# KiCad board elektor-eXpansion-board-V1-0.kicad_pcb
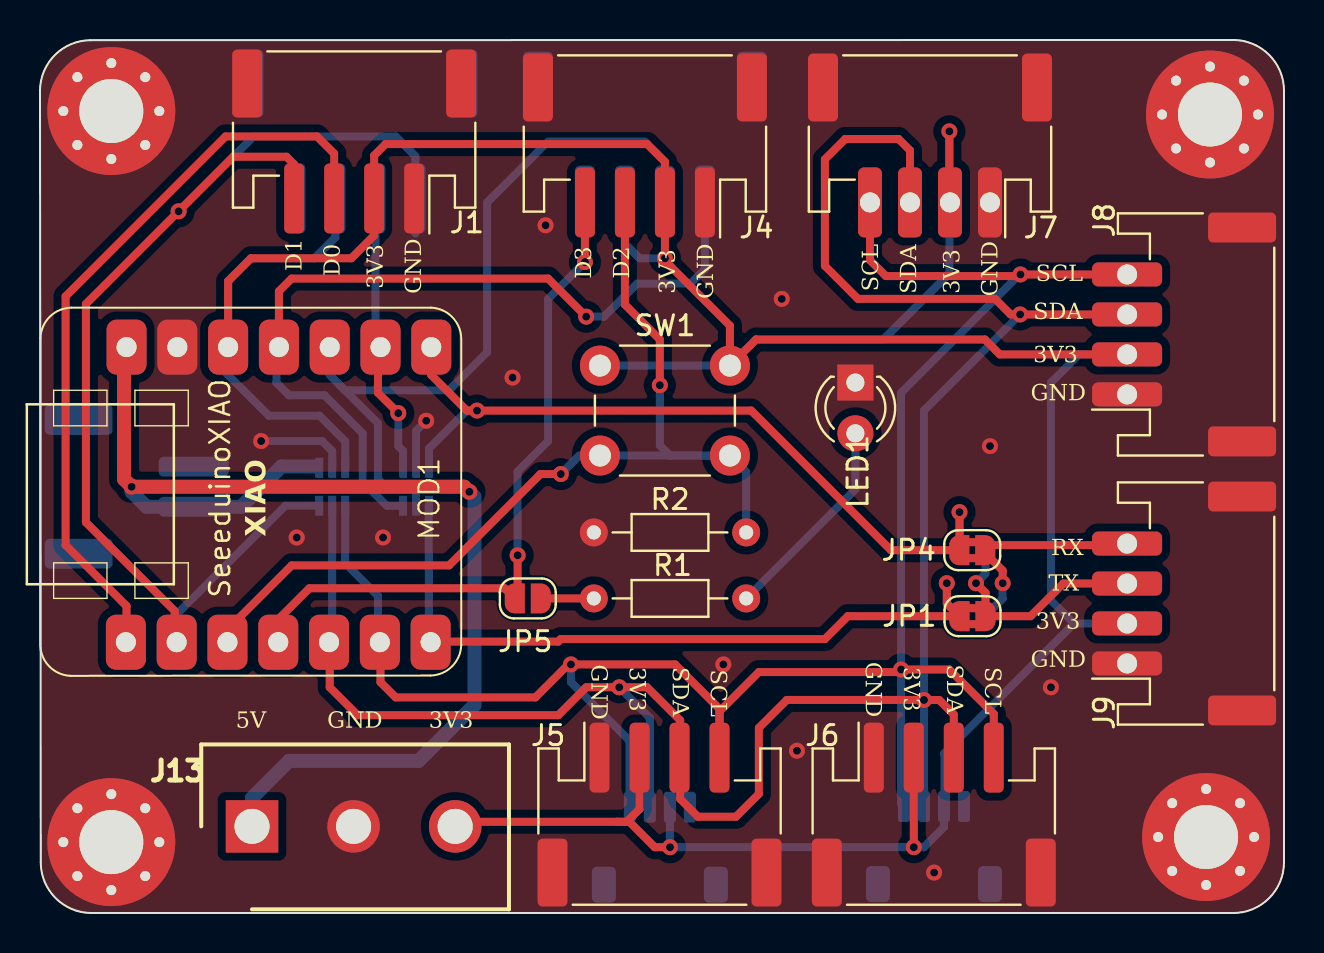
[diagram p0: board, top side]
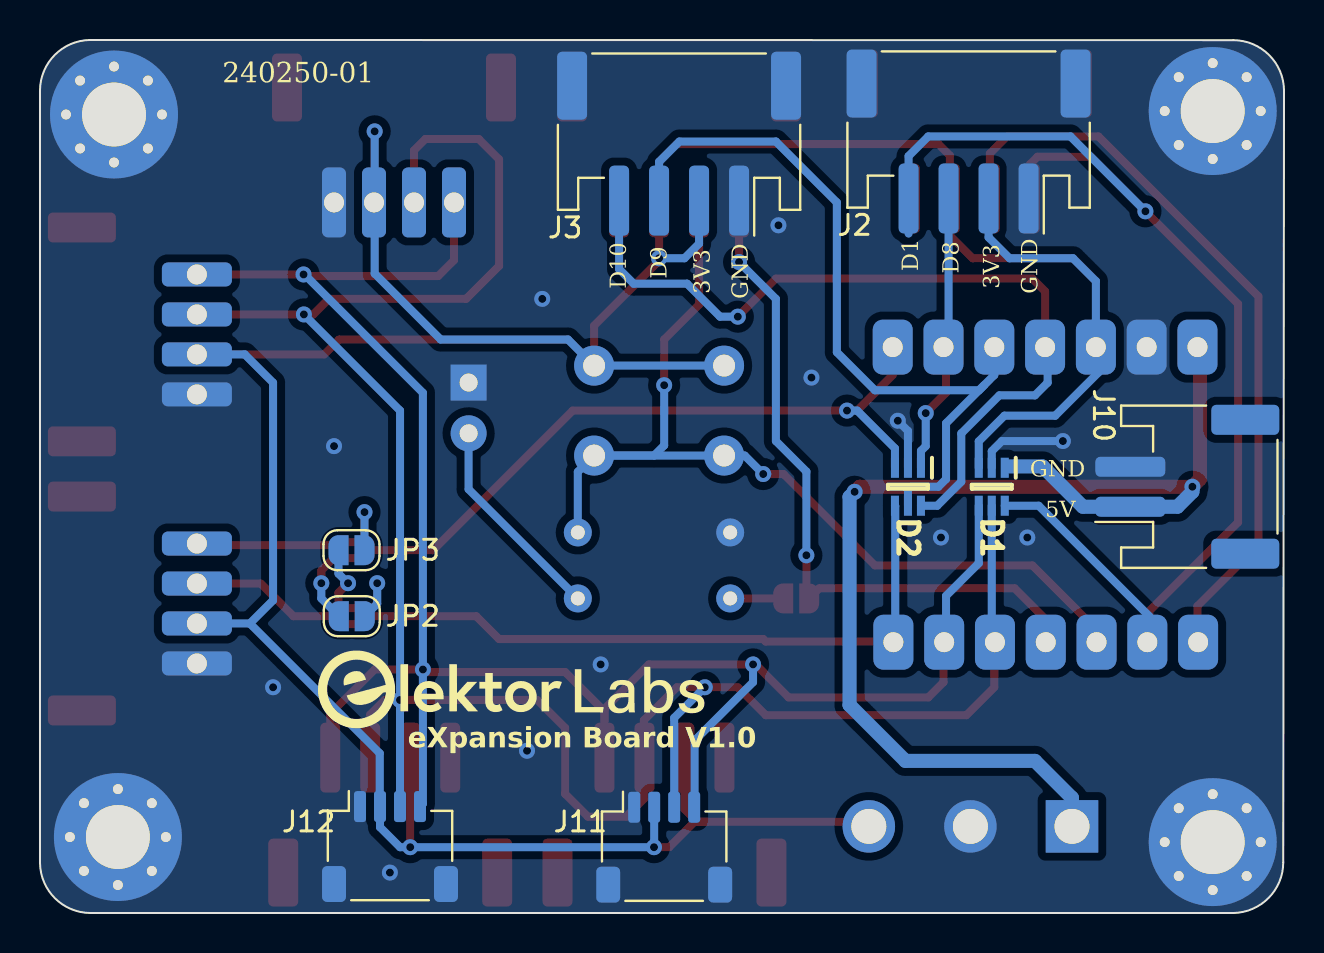
[diagram p1: board, bottom side, seen from below]

Outline 62.21 x 43.68 mm; copper layers: Top, Bottom. Coordinates in mm from the lower left corner of the outline.
Outline path: 0,41.16 0.04,2.54 arc(0.77,0.76) 2.53,0 59.67,0 arc(61.46,0.73) 62.21,2.51 62.21,41.14 arc(61.48,42.93) 59.7,43.68 2.54,43.67 arc(0.75,42.94) 0,41.16

## Placement (name value [footprint] x y rotation side)
D1  SMF05C.TCT  [SOT65P210X110-6N]  14.61 21.33 270 bottom
D2  SMF05C.TCT  [SOT65P210X110-6N]  18.81 21.33 270 bottom
G***  LOGO  [elektor-labs-KiCAD-Silkscreen-20x5.1mm]  38.87 11.17 180 bottom
H1  MountingHole_Pad  [MountingHole_3.2mm_M3_Pad_Via]  3.57 40.12 0 top
H2  MountingHole_Pad  [MountingHole_3.2mm_M3_Pad_Via]  58.51 39.95 0 top
H3  MountingHole_Pad  [MountingHole_3.2mm_M3_Pad_Via]  3.57 3.55 0 top
H4  MountingHole_Pad  [MountingHole_3.2mm_M3_Pad_Via]  58.32 3.8 0 top
J1  IO1  [JST_PH_S4B-PH-SM4-TB_1x04-1MP_P2.00mm_Horizontal]  15.71 38.6 180 top
J2  IO3  [JST_PH_S4B-PH-SM4-TB_1x04-1MP_P2.00mm_Horizontal]  15.77 38.6 0 bottom
J3  IO4  [JST_PH_S4B-PH-SM4-TB_1x04-1MP_P2.00mm_Horizontal]  30.25 38.49 0 bottom
J4  IO2  [JST_PH_S4B-PH-SM4-TB_1x04-1MP_P2.00mm_Horizontal]  30.25 38.4 180 top
J5  I2C..  [JST_PH_S4B-PH-SM4-TB_1x04-1MP_P2.00mm_Horizontal]  30.98 4.92 0 top
J6  I2C.  [JST_PH_S4B-PH-SM4-TB_1x04-1MP_P2.00mm_Horizontal]  44.7 4.92 0 top
J7  I2C.  [JST_PH_S4B-PH-SM4-TB_1x04-1MP_P2.00mm_Horizontal#2]  44.51 38.4 180 top
J8  I2C.  [JST_PH_S4B-PH-SM4-TB_1x04-1MP_P2.00mm_Horizontal#2]  57.22 28.95 90 top
J9  UART  [JST_PH_S4B-PH-SM4-TB_1x04-1MP_P2.00mm_Horizontal#2]  57.22 15.49 90 top
J10  5V-GND  [JST_PH_S2B-PH-SM4-TB_1x02-1MP_P2.00mm_Horizontal]  4.84 21.33 90 bottom
J11  Qwiic  [JST_SH_SM04B-SRSS-TB_1x04-1MP_P1.00mm_Horizontal]  31 3.29 180 bottom
J12  Qwiic  [JST_SH_SM04B-SRSS-TB_1x04-1MP_P1.00mm_Horizontal]  44.71 3.33 180 bottom
J13  5442219  [SHDR3W110P0X508_1X3_1524X810X1015P]  10.6 4.33 0 top
JP1  Jumper_2_Bridged  [SolderJumper-2_P1.3mm_Bridged2Bar_RoundedPad1.0x1.5mm]  46.63 14.85 0 top
JP2  ~  [SolderJumper-2_P1.3mm_Open_RoundedPad1.0x1.5mm]  46.62 14.85 0 bottom
JP3  ~  [SolderJumper-2_P1.3mm_Open_RoundedPad1.0x1.5mm]  46.63 18.15 0 bottom
JP4  Jumper_2_Bridged  [SolderJumper-2_P1.3mm_Bridged2Bar_RoundedPad1.0x1.5mm]  46.62 18.15 0 top
JP5  ~  [SolderJumper-2_P1.3mm_Open_RoundedPad1.0x1.5mm]  24.39 15.74 180 top
LED1  LED  [LED_D3.0mm]  40.78 26.54 270 top
MOD1  SeeeduinoXIAO  [Seeeduino XIAO-MOUDLE14P-2.54-21X17.8MM]  22.41 12.72 90 top
R1  200  [R_Axial_DIN0204_L3.6mm_D1.6mm_P7.62mm_Horizontal]  27.7 15.74 0 top
R2  10k  [R_Axial_DIN0204_L3.6mm_D1.6mm_P7.62mm_Horizontal]  35.32 19.04 180 top
SW1  SW_Push  [SW_PUSH_6mm]  28 27.39 0 top

## Library data of the parts
D1 D2 = -: Description: Semtech SMF05C.TCT, Quint-Element Uni-Directional TVS Diode, 100W, 6-Pin SOT-363 (SC-70); Height: 1.1; Manufacturer_Name: SEMTECH; Mouser Part Number: 947-SMF05C.TCT; Mouser Price/Stock: https://www.mouser.co.uk/ProductDetail/Semtech/SMF05C.TCT?qs=rBWM4%252BvDhIcdGOAFdL4XAA%3D%3D
H1-H4 = -: Description: Mounting Hole with connection
J1-J9 J11 J12 = -: Description: Generic connectable mounting pin connector, single row, 01x04, script generated (kicad-library-utils/schlib/autogen/connector/)
J10 = -: Description: Generic connector, single row, 01x02, script generated (kicad-library-utils/schlib/autogen/connector/)
J13 = -: Description: Fixed Terminal Blocks BC-508X10- 3 GN 5.08 MM PITCH; Height: 10.15; Manufacturer_Name: Phoenix Contact; Mouser Part Number: 651-5442219; Mouser Price/Stock: https://www.mouser.co.uk/ProductDetail/Phoenix-Contact/5442219?qs=9Y9qB%2FCsC3m5bf04RC2Ajg%3D%3D
JP1 JP4 = -: Description: Jumper, 2-pole, closed/bridged
JP2 JP3 JP5 = -: Description: Jumper, 2-pole, open
LED1 = -: Description: Light emitting diode
R1 R2 = -: Description: Resistor
SW1 = -: Description: Push button switch, generic, two pins

## Footprints (pads in the part's own frame, mm; a bottom-side part is the same pattern mirrored in y, then rotated)
JST_PH_S2B-PH-SM4-TB_1x02-1MP_P2.00mm_Horizontal
  rrect 1x3.5 smd: 1(-1,2.85) 2(1,2.85)
  rrect 1.5x3.4 smd: MP(-3.35,-2.9) MP(3.35,-2.9)
JST_PH_S4B-PH-SM4-TB_1x04-1MP_P2.00mm_Horizontal
  rrect 1x3.5 smd: 1(-3,2.85) 2(-1,2.85) 3(1,2.85) 4(3,2.85)
  rrect 1.5x3.4 smd: MP(-5.35,-2.9) MP(5.35,-2.9)
JST_PH_S4B-PH-SM4-TB_1x04-1MP_P2.00mm_Horizontal#2
  rrect 1.2x3.5 hole 1: 1(-3,2.85) 2(-1,2.85) 3(1,2.85) 4(3,2.85)
  rrect 1.5x3.4 smd: MP(-5.35,-2.9) MP(5.35,-2.9)
JST_SH_SM04B-SRSS-TB_1x04-1MP_P1.00mm_Horizontal
  rrect 0.6x1.55 smd: 1(-1.5,2) 2(-0.5,2) 3(0.5,2) 4(1.5,2)
  rrect 1.2x1.8 smd: MP(-2.8,-1.875) MP(2.8,-1.875)
LED_D3.0mm
  rect 1.8x1.8 hole 0.9: 1(0,0)
  round 1.8 hole 0.9: 2(2.54,0)
MountingHole_3.2mm_M3_Pad_Via
  round 0.8 hole 0.5: 1(-2.4,0) 1(-1.697,1.697) 1(-1.697,-1.697) 1(0,2.4) 1(0,-2.4) 1(1.697,1.697) 1(1.697,-1.697) 1(2.4,0)
  round 6.4 hole 3.2: 1(0,0)
R_Axial_DIN0204_L3.6mm_D1.6mm_P7.62mm_Horizontal
  round 1.4 hole 0.7: 1(0,0)
  oval 1.4x1.4 hole 0.7: 2(7.62,0)
Seeeduino XIAO-MOUDLE14P-2.54-21X17.8MM
  rrect 2.748x1.999 hole 1: 1(0.833,18.118) 2(0.833,15.578) 3(0.833,13.038) 4(0.833,10.498) 5(0.833,7.958) 6(0.833,5.418) 7(0.833,2.878) 8(15.596,2.845) 9(15.596,5.385) 10(15.596,7.925) 11(15.596,10.465) 12(15.596,13.005) 13(15.596,15.545) 14(15.596,18.085)
SHDR3W110P0X508_1X3_1524X810X1015P
  rect 2.625x2.625 hole 1.75: 1(0,0)
  round 2.625 hole 1.75: 2(5.08,0) 3(10.16,0)
SolderJumper-2_P1.3mm_Bridged2Bar_RoundedPad1.0x1.5mm
  custom 1x1.5 smd: 1(-0.65,0) 2(0.65,0)
SolderJumper-2_P1.3mm_Open_RoundedPad1.0x1.5mm
  custom 1x1.5 smd: 1(-0.65,0) 2(0.65,0)
SOT65P210X110-6N
  rect 1x0.4 smd: 1(-0.95,0.65) 2(-0.95,0) 3(-0.95,-0.65) 4(0.95,-0.65) 5(0.95,0) 6(0.95,0.65)
SW_PUSH_6mm
  round 2 hole 1.1: 1(0,0) 1(6.5,0) 2(0,-4.5) 2(6.5,-4.5)

## Nets
+3V3: D1.3 J1.2 J2.2 J3.2 J4.2 J5.2 J6.2 J7.2 J8.2 J9.2 J11.2 J12.2 J13.3 MOD1.12 SW1.1
+5V: D1.1 J10.1 J13.1 MOD1.14
GND: D1.2 D2.2 H1.1 H2.1 H3.1 H4.1 J1.1 J1.MP J2.1 J2.MP J3.1 J3.MP J4.1 J4.MP J5.1 J5.MP J6.1 J6.MP J7.1 J7.MP J8.1 J8.MP J9.1 J9.MP J10.2 J11.1 J11.MP J12.1 J12.MP J13.2 LED1.1 MOD1.13 R2.2
D0: J1.3 MOD1.1
D1: D1.6 J1.4 J2.4 MOD1.2
D2: J4.3 MOD1.3 R2.1 SW1.2
D3: J4.4 JP5.2 MOD1.4
D7: D2.3 JP3.1 JP4.1 MOD1.8
D8: D2.1 J2.3 MOD1.9
D9: D2.5 J3.3 MOD1.10
D10: D2.6 J3.4 MOD1.11
SCL: D1.4 J5.4 J6.4 J7.4 J8.4 J11.4 J12.4 MOD1.6
SDA: D1.5 J5.3 J6.3 J7.3 J8.3 J11.3 J12.3 MOD1.5
TXD: D2.4 JP1.1 JP2.1 MOD1.7
Net-(J9-Pin_3): J9.3 JP1.2 JP3.2
Net-(J9-Pin_4): J9.4 JP2.2 JP4.2
Net-(JP5-A): JP5.1 R1.1
Net-(LED1-A): LED1.2 R1.2

Pads without a net: J10 MP

## Via types
v1: diameter 0.8, hole 0.4, Top to Bottom, 36 vias

## Routing (per net, layer and track width the routed paths; a pad name or vN(x,y) marks a point on that pad's centre or on a via; arc(x,y) is an arc through that point)
+3V3: length 187.5
  Top w0.4: v1(45.48,39.11) 45.48,35.58 J7.2 ; 9.41,29.2 9.41,31.61 10.55,32.76 15.57,32.76 16.71,33.9 J1.2 ; 54.35,27.93 J8.2 48,27.95 47.25,28.69 35.81,28.69 SW1.1 ; 28.84,4.56 29.35,4.56 29.98,5.2 29.98,7.87 ; 28.84,4.56 29.47,4.56 30.74,3.29 v1(31.51,3.29) ; 28.84,4.56 20.99,4.56 J13.3 ; 35.05,27.93 SW1.1 ; SW1.1 34.5,29.39 31.51,32.38 31.51,32.38 31.25,32.63 v1(31.25,32.76) J4.2 31.25,37.58 30.36,38.47 17.28,38.47 16.71,37.9 16.71,36.49 ; v1(43.7,3.29) 43.7,8.12
  Bottom w0.4: J3.2 29.25,33.49 29.98,32.76 v1(31.25,32.76) ; 51.71,14.49 45.22,7.99 45.22,5.34 J12.2 45.21,4.3 44.21,3.29 v1(43.7,3.29) v1(31.51,3.29) 31.5,3.3 J11.2 ; 51.71,14.49 J9.2 ; 51.71,14.49 50.56,15.64 50.56,26.53 51.97,27.95 J8.2 ; 34.79,27.68 SW1.1 ; SW1.1 35.81,28.69 42.17,28.69 45.48,32 v1(45.48,39.11) ; SW1.1 SW1.1 ; 9.41,29.2 9.41,31.61 10.55,32.76 13.73,32.76 14.77,33.81 J2.2 ; 9.28,29.24 9.28,27.04 11.44,24.88 13.98,24.88 15.26,23.6 D1.3
+5V: length 60.9
  Top w0.7: v1(21.47,21.07) 21.22,21.33 v1(4.58,21.33) 4.2,21.71 4.2,29.08 4.33,29.2
  Bottom w0.7: J13.1 10.6,5.76 12.46,7.61 18.93,7.61 21.73,10.41 21.73,20.82 v1(21.47,21.07) ; 13.73,22.34 12.07,22.34 10.06,20.33 J10.1 5.33,20.33 4.58,21.07 v1(4.58,21.33)
GND: length 7.5
  Top w0.4: 54.16,12.69 53.91,12.44
  Bottom w0.4: D2.2 18.81,24.12 v1(19.31,24.63) ; D1.2 14.61,23.11 14.11,23.61 v1(11.06,23.61)
  vias: v1(12.84,18.79) v1(17.15,18.79) v1(23.63,26.79) v1(25.28,34.41) v1(34.17,12.44) v1(37.09,30.73) v1(37.86,8.12) v1(44.71,2.02) v1(47.51,23.36) v1(50.56,11.29)
D0: length 38.4
  Top w0.4: 4.33,13.04 4.33,15.36 1.28,18.41 1.28,30.85 9.28,38.85 13.85,38.85 14.71,38 J1.3
D1: length 65.5
  Top w0.4: J1.4 12.71,37.46 12.33,37.84 9.66,37.84 2.3,30.47 2.3,19.55 6.74,15.1 6.74,13.17 6.87,13.04 ; 6.74,14.98 6.74,13.07
  Bottom w0.4: v1(6.93,35.11) 10.68,38.85 17.79,38.85 18.77,37.87 J2.4 18.77,34 ; D1.6 12.27,20.38 6.74,14.85 6.74,13.07
D2: length 50.9
  Top w0.4: 9.41,13.04 9.41,14.22 12.58,17.39 20.46,17.39 25.03,21.96 v1(26.04,21.96) ; J4.3 29.25,30.44 31,28.69 v1(31,26.41)
  Bottom w0.4: v1(31,26.41) 31,23.4 31.51,22.89 SW1.2 ; SW1.2 35.32,22.07 R2.1 ; SW1.2 SW1.2 ; v1(26.04,21.96) 26.97,22.89 28.26,22.89
D3: length 35.6
  Top w0.4: v1(23.89,17.9) 23.89,15.88 JP5.2 23.24,16.25 13.47,16.25 11.95,14.72 11.95,13.04 ; v1(27.25,32.57) J4.4
  Bottom w0.4: v1(27.25,32.57) 25.41,30.73 25.41,23.61 23.89,22.09 v1(23.89,17.9)
D7: length 40.3
  Top w0.4: 19.57,29.2 19.57,26.92 21.35,25.14 v1(21.85,25.14) 35.57,25.14 42.55,18.15 JP4.1 45.98,18.17 v1(45.98,20.06)
  Bottom w0.4: v1(21.85,25.14) 21.35,25.14 19.46,23.25 D2.3 ; JP3.1 v1(45.98,20.06)
D8: length 14.1
  Top w0.4: v1(17.92,25.01) 16.9,26.03 16.9,29.24
  Bottom w0.4: 17.03,29.2 16.77,29.46 J2.3 ; v1(17.92,25.01) 17.92,23.36 18.16,23.12 D2.1
D9: length 39.7
  Bottom w0.4: 15,26.41 15.25,26.15 20.46,26.15 22.36,28.06 22.36,35.55 25.41,38.6 30.24,38.6 31.25,37.58 J3.3 ; 15,26.41 16.9,24.5 16.9,21.71 17.28,21.33 18.68,21.33 18.81,21.2 D2.5 ; 15,26.41 14.49,26.92 14.49,29.2
D10: length 41.7
  Top w0.4: 11.95,29.2 11.95,31.11 12.58,31.74 25.41,31.74 v1(27.31,29.84)
  Bottom w0.4: D2.6 17.34,20.38 16.14,21.58 16.14,23.99 14.23,25.9 12.46,25.9 11.82,26.53 11.82,29.24 ; v1(27.31,29.84) 28.2,29.84 29.85,31.49 32.52,31.49 33.25,32.22 J3.4
SCL: length 102.1
  Top w0.4: 47.7,8.12 47.7,9.96 45.48,12.18 v1(43.06,12.18) 42.94,12.06 35.95,12.06 33.98,10.09 33.98,9.64 ; 17.03,13.04 17.03,11.55 17.79,10.79 24.77,10.79 26.43,12.44 v1(26.55,12.44) 31.76,12.44 33.98,10.22 33.98,9.64 ; 33.98,9.64 33.98,7.87 ; J8.4 v1(49.03,31.95) 48.95,31.87 42.3,31.87 41.51,32.66 J7.4
  Bottom w0.4: D1.4 15.26,17.5 16.9,15.87 16.9,13.07 ; J12.4 43.06,5.47 v1(43.06,12.18) 43.06,26.03 48.98,31.95 v1(49.03,31.95) ; J11.4 29.47,5.32 29.47,8.63 26.55,11.55 v1(26.55,12.44)
SDA: length 115.2
  Top w0.4: 14.49,13.04 14.49,11.29 15.88,9.9 25.92,9.9 27.31,11.29 v1(28.97,11.29) 30.36,11.29 32.01,9.64 32.01,5.71 32.9,4.82 34.81,4.82 35.95,5.96 35.95,9.26 37.35,10.66 44.21,10.66 v1(44.21,10.66) 44.97,10.66 45.7,9.93 45.7,8.12 45.73,8.09 ; J8.3 v1(49.02,29.95) 48.54,29.95 47.76,30.73 40.9,30.73 39.25,32.38 39.25,37.71 40.27,38.73 42.94,38.73 43.51,38.15 J7.3
  Bottom w0.4: D1.5 14.61,13.33 14.36,13.07 ; J11.3 30.5,9.76 v1(28.97,11.29) ; 44.21,10.66 44.21,25.14 v1(49.02,29.95) ; v1(44.21,10.66) J12.3
TXD: length 38.3
  Top w0.4: 19.57,13.04 20.11,13.58 25.92,13.58 26.04,13.71 39.25,13.71 40.4,14.85 JP1.1 45.35,15.49 v1(45.35,16.5)
  Bottom w0.4: JP2.1 45.35,15.47 v1(45.35,16.5) ; D2.4 19.44,20.36 19.44,13.07
Net-(J9-Pin_3): length 11.5
  Top w0.4: J9.3 51.17,16.49 49.54,14.85 JP1.2 47.28,16.02 v1(46.81,16.5)
  Bottom w0.4: v1(46.81,16.5) 47.28,16.98 JP3.2
Net-(J9-Pin_4): length 11.4
  Top w0.4: v1(48.14,16.5) 48.14,17.14 47.27,18.01 JP4.2 47.52,18.41 54.29,18.41 J9.4
  Bottom w0.4: v1(48.14,16.5) 48.14,15.74 47.27,14.87 JP2.2 47.27,14.99
Net-(JP5-A): length 2.9
  Top w0.4: 25.04,15.49 25.3,15.74 27.44,15.74 27.7,15.49
Net-(LED1-A): length 10.5
  Bottom w0.4: LED1.2 40.78,21.2 R1.2

## Copper pours and planes (outline as drawn; the poured copper is in the pictures)
GND on Top, Bottom: 0.01,43.68 62.49,43.68 62.24,-0.26 0.01,-0.26

## Text on the board
B.Silkscreen: GND | 3V3 | 5V | D8 | D1 | D9 | D10 | 240250-01 | eXpansion Board V1.0
F.Silkscreen: 5V | GND | 3V3 | SDA | SCL | TX | RX | D1 | D0 | D3 | D2
